# Altium PCB SENSEI_Sensor-Shield.PcbDoc (part 2 of 2) (continued)
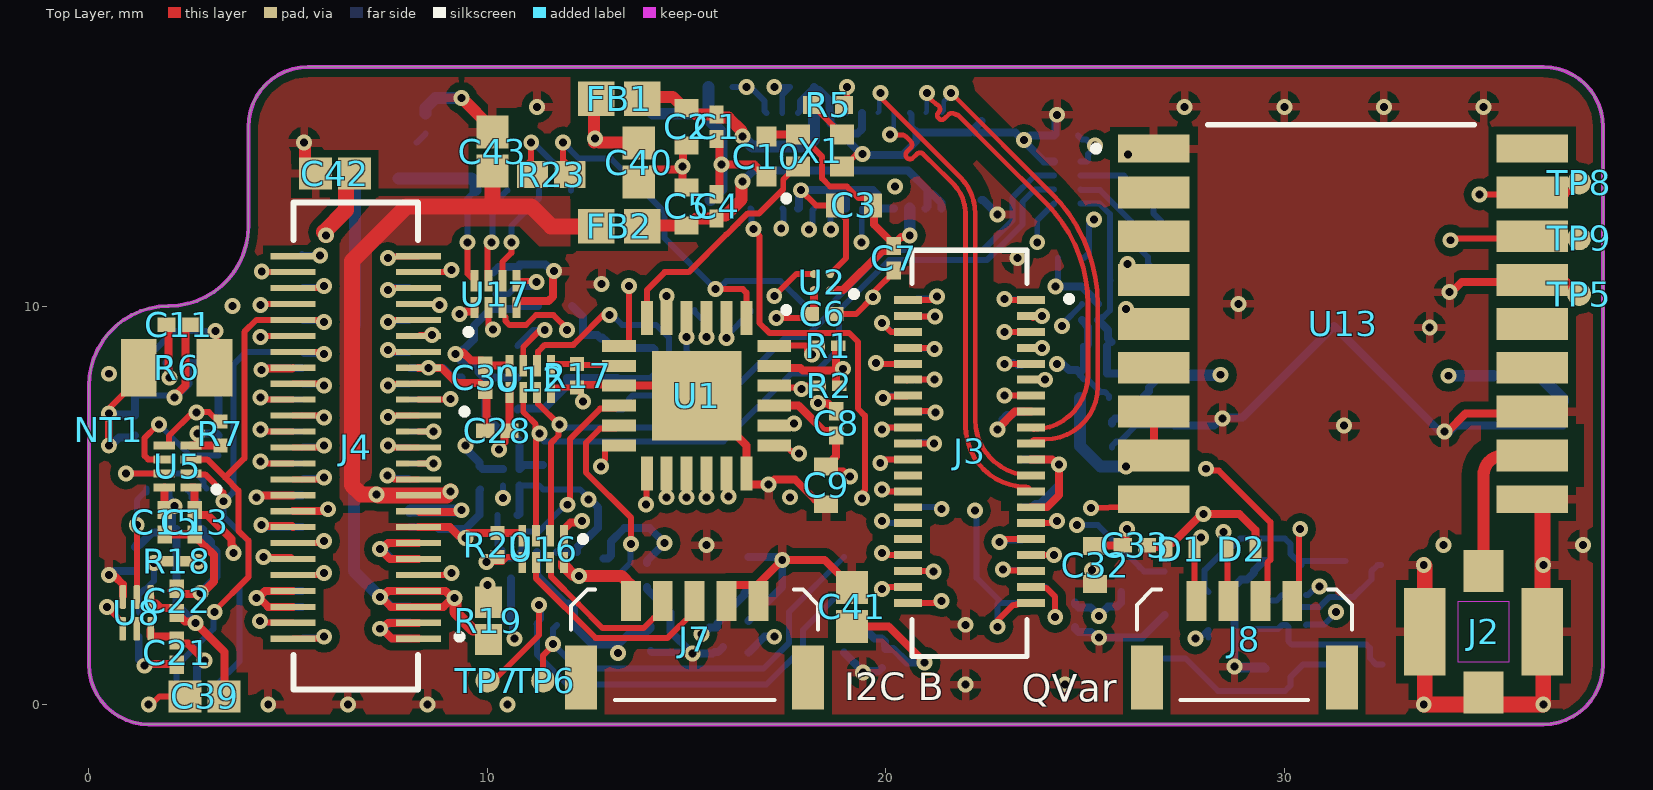
[diagram p0: Top Layer view]
## Nets (pads, with @x,y where several pads share a name; then routed paths per layer and width w, separated by ;. In a path a pad name is that pad's centre, name@x,y a point inside that pad or via, vN(x,y) a via of type N, cw(c..) or ccw(c..) an arc to the next point about the centre after c; other vN are vias at no path point) (continued)
MSP_TCK: J4.49 J6.49 | length 1.9
  Top Layer w0.15: v1(4.295,2.089) 4.335,2.089 4.373,2.051 5.124,2.051 J4.49@5.125,2.05
  Bottom Layer w0.15: v1(4.295,2.089) 4.311,2.089 4.36,2.04 5.335,2.04 J6.49@5.345,2.05
MSP_TDI: J4.39 J6.39 | length 1.9
  Top Layer w0.15: v1(4.3,6.1) 4.316,6.1 4.364,6.051 5.124,6.051 J4.39@5.125,6.05
  Bottom Layer w0.15: v1(4.3,6.1) 4.341,6.1 4.391,6.05 J6.39@5.345,6.05
MSP_TDO: J4.38 J6.38 | length 1.4
  Top Layer w0.15: J4.38@5.125,6.45 v1@5.9,6.45
  Bottom Layer w0.15: J6.38@5.345,6.45 5.37,6.475 5.875,6.475 v1(5.9,6.5)
MSP_TMS: J4.40 J6.40 | length 1.4
  Top Layer w0.15: J4.40@5.125,5.65 5.85,5.65 v1(5.9,5.7)
  Bottom Layer w0.15: J6.40@5.345,5.65 5.38,5.685 5.885,5.685 v1(5.9,5.7)
MSP_VCC: J4.37 J6.37 | length 1.9
  Top Layer w0.15: v1(4.3,6.9) 4.316,6.9 4.364,6.851 5.124,6.851 J4.37@5.125,6.85
  Bottom Layer w0.15: v1(4.3,6.9) 4.341,6.9 4.391,6.85 J6.37@5.345,6.85
NetB1_1: B1.1 C31.1 R15.1 | length 2.8
  Bottom Layer w0.2: R15.1@12.125,10 12.4,9.725 12.4,9.27 12.758,9.27 12.847,9.181 12.882,9.216 12.974,9.125 12.975,9.125 13.146,8.954 13.146,8.952 14.152,8.952 C31.1@14.2,8.904
NetC1_1: C1.1 C2.1 FB1.1 J1.5 | length 5.7
  Top Layer w0.3: FB1.1@13.826,15.25 14.65,15.25 14.925,14.975 C2.1@15,14.975 15.075,14.975 15.246,14.804 C1.1@15.75,14.804 15.781,14.773 15.781,14.727 16.048,14.727 16.382,14.393 16.382,14.27 v1(16.401,14.251)
  Bottom Layer w0.3: v1(16.401,14.251) 16.651,14 18.024,14 18.2,14.176 J1.5@18.2,14.85
NetC4_1: C4.1 C5.1 FB2.1 J1.14 J1.15 | length 9.1
  Top Layer w0.3: FB2.1@14.076,12 14.101,12.025 C5.1@15,12.025 15.075,12.025 15.246,12.196 C4.1@15.75,12.196 15.75,12.241 15.781,12.273 15.98,12.273 16.382,12.674 16.382,13.106 v1(16.401,13.126)
  Bottom Layer w0.2: v1(16.401,13.126) 16.675,13.4 19.566,13.4 ; 19.566,13.401 20.556,13.401 21.05,12.906 21.05,12.8 ; J1.15@21,12.45 21.05,12.5 21.05,12.8 ; J1.14@21.4,12.45 21.4,12.585 21.185,12.8 21.05,12.8
NetC20_1: C20.1 R9.1 R10.2 | length 3.9
  Bottom Layer w0.15: C20.1@29.25,2.604 29.804,2.604 29.95,2.75 30.05,2.75 30.2,2.6 30.2,2.553 30.303,2.45 30.895,2.45 31.145,2.7 31.745,2.7 32.183,3.138 32.183,3.339 32.344,3.5 R9.1@32.431,3.5
NetC20_2: C20.2 R11.2 R12.1 | length 4
  Bottom Layer w0.15: C20.2@29.25,1.896 29.846,1.896 29.95,2 R11.2@30,2 30.05,2 30.1,1.95 30.1,1.588 30.188,1.5 32.062,1.5 32.15,1.412 32.15,1.161 32.311,1 R12.1@32.466,1
NetD1_1: D1.1 J5.28 J8.1 R11.1 | length 15.5
  Top Layer w0.15: J8.1@27.8,2.595 27.75,2.645 D1.1@27.75,3.9 27.75,4 27.909,4.159 v1(27.909,4.193)
  Mid-Layer 2 w0.15: v1(27.909,4.193) 29.627,2.475 31.087,2.475 31.237,2.325 v1(31.3,2.325)
  Mid-Layer 4 w0.15: v1(21.403,4.903) 21.403,4.397 22.8,3 26.645,3 27.838,4.193 v1(27.909,4.193)
  Bottom Layer w0.15: J5.28@20.745,4.95 21.309,4.95 21.357,4.903 v1(21.403,4.903) ; R11.1@30.55,2 30.562,2.012 31.008,2.012 31.3,2.303 v1(31.3,2.325)
NetD2_1: D2.1 J5.30 J8.2 R10.1 | length 16.3
  Top Layer w0.15: v1(28.471,4.325) 28.519,4.277 28.519,3.956 D2.1@28.575,3.9 28.575,2.62 J8.2@28.6,2.595
  Mid-Layer 2 w0.15: v1(28.471,4.325) 29.846,2.95 30.864,2.95 v1(30.879,2.965)
  Mid-Layer 4 w0.15: v1(19.9,4.6) 20.6,4.6 22.6,2.6 27,2.6 28.447,4.047 28.447,4.302 v1(28.471,4.325)
  Bottom Layer w0.15: v1(19.9,4.6) 19.941,4.6 19.991,4.55 J5.30@20.745,4.55 ; R10.1@30.55,2.75 30.6,2.75 30.815,2.965 v1(30.879,2.965)
NetJ2_1: J2.1 U13.11 | length 4
  Top Layer w0.305: J2.1@35,3.275 35,5.75 cw(c35.5,5.75) 35.5,6.25 U13.11@36.225,6.25
NetJ3_1: J3.1 J5.1 | length 1.2
  Top Layer w0.15: v1(22.973,10.178) 23.024,10.178 23.052,10.15 J3.1@23.64,10.15
  Bottom Layer w0.15: v1(22.973,10.178) 22.987,10.164 23.441,10.164 J5.1@23.455,10.15
NetJ3_3: J3.3 J5.3 | length 0.9
  Top Layer w0.15: J3.3@23.64,9.75 23.69,9.7 23.74,9.75 v1(23.924,9.75)
  Bottom Layer w0.15: J5.3@23.443,9.762 23.494,9.762 J5.3@23.506,9.75 ; J5.3@23.455,9.75 23.48,9.725 23.505,9.75 v1(23.924,9.75)
NetJ3_5: J3.5 J5.5 | length 1.2
  Top Layer w0.15: v1(22.976,9.35) 23.002,9.375 23.027,9.35 J3.5@23.64,9.35
  Bottom Layer w0.15: v1(22.976,9.35) J5.5@23.455,9.35
NetJ3_7: J3.7 J5.7 | length 0.9
  Top Layer w0.15: J3.7@23.64,8.95 23.665,8.925 J3.7@23.859,8.925 ; v1(23.924,8.95) 23.959,8.95 23.909,9 23.859,8.95 23.884,8.925 J3.7@23.934,8.925
  Bottom Layer w0.15: J5.7@23.455,8.95 23.874,8.95 v1@23.899,8.975
NetJ3_9: J3.9 J5.9 | length 1.4
  Top Layer w0.15: v1(22.976,8.55) 22.976,8.537 22.94,8.501 cw(c23.051,8.4) 23.051,8.55 J3.9@23.64,8.55
  Bottom Layer w0.15: v1(22.976,8.55) J5.9@23.155,8.55 ; J5.9@23.455,8.55 23.405,8.5 23.355,8.55 23.304,8.5 23.204,8.6 J5.9@23.179,8.575 ; J5.9@23.155,8.55 J5.9@23.179,8.575 ; J5.9@23.155,8.55 J5.9@23.179,8.575
NetJ3_11: J3.11 J5.11 | length 0.9
  Top Layer w0.15: J3.11@23.64,8.15 v1(23.99,8.15)
  Bottom Layer w0.15: J5.11@23.455,8.15 v1(23.99,8.15)
NetJ3_13: J3.13 J5.13 | length 1.1
  Top Layer w0.15: v1(22.976,7.75) J3.13@23.64,7.75
  Bottom Layer w0.15: v1@22.976,7.75 J5.13@23.455,7.75
NetJ3_16: J3.16 J5.16 J8.3 | length 12.8
  Top Layer w0.15: J3.16@20.56,7.35 20.573,7.363 21.214,7.363 v1(21.251,7.325) ; v1(28.033,5.916) 28.081,5.868 28.357,5.868 29.65,4.575 29.65,3.628 29.575,3.553 29.575,2.77 J8.3@29.4,2.595
  Mid-Layer 4 w0.15: v1(21.251,7.325) 26.405,7.325 26.624,7.325 v1(28.033,5.916)
  Bottom Layer w0.15: J5.16@20.745,7.35 20.746,7.349 21.227,7.349 v1(21.251,7.325)
NetJ3_18: J3.18 J5.18 J8.4 | length 15
  Top Layer w0.15: v1(19.9,6.9) 19.95,6.95 J3.18@20.56,6.95 ; J8.4@30.2,2.595 30.375,2.77 30.375,4.375 v1(30.4,4.4)
  Mid-Layer 4 w0.15: v1(19.9,6.9) 21.2,5.6 27.8,5.6 29,4.4 v1(30.4,4.4)
  Bottom Layer w0.15: v1(19.9,6.9) 19.95,6.95 J5.18@20.745,6.95
NetJ3_29: J3.29 J5.29 | length 1.5
  Top Layer w0.15: J3.29@23.64,4.55 24.209,4.55 24.259,4.6 v1(24.3,4.6)
  Bottom Layer w0.15: J5.29@23.455,4.55 24.209,4.55 24.259,4.6 v1(24.3,4.6)
NetJ3_31: J3.31 J5.31 | length 1.4
  Top Layer w0.15: v1(22.855,4.075) 22.93,4.15 J3.31@23.64,4.15
  Bottom Layer w0.15: v1(22.855,4.075) 22.893,4.113 23.418,4.113 J5.31@23.455,4.15
NetJ7_1: J7.1 R19.2 U16.8 | length 4.8
  Top Layer w0.3: v1(10,3) 10,2.845 9.995,2.84 9.995,2.595 R19.2@10.025,2.566 ; U16.8@11.925,3.565 11.925,3.475 12.156,3.244 12.281,3.244 v1(12.301,3.225) 13.37,3.225 J7.1@13.6,2.995
  Mid-Layer 2 w0.3: v1(10,3) 10.027,3 10.252,3.225 v1(12.301,3.225)
NetJ7_2: J7.2 U16.7 | length 4.4
  Top Layer w0.15: U16.7@11.575,3.565 11.6,3.54 11.6,3.207 12.287,2.52 12.887,1.92 13.922,1.92 14.172,2.17 14.225,2.17 14.45,2.395 J7.2@14.45,2.845
NetJ7_3: J7.3 U16.6 | length 5.4
  Top Layer w0.15: U16.6@11.225,3.565 11.225,3.158 12.713,1.67 14.525,1.67 15.174,2.319 J7.3@15.174,2.525
NetJ9_1: J9.1 R21.2 U17.8 | length 4.6
  Top Layer w0.15: v1(9.5,11.6) 9.5,10.81 U17.8@9.675,10.635
  Bottom Layer w0.15: v1(9.5,11.6) 9.5,12.705 J9.1@9.7,12.905
  Bottom Layer w0.3: R21.2@7.766,13.2 9.6,13.2 9.7,13.1 J9.1@9.7,12.905
NetJ9_2: J9.2 U17.7 | length 2.5
  Top Layer w0.15: U17.7@10.025,10.635 10,10.66 10,11.5 v1(10.1,11.6)
  Bottom Layer w0.15: v1(10.1,11.6) 10.125,11.625 10.125,12.53 J9.2@10.5,12.905
NetJ9_3: J9.3 U17.6 | length 2.7
  Top Layer w0.15: U17.6@10.375,10.635 10.375,11.106 10.6,11.331 v1(10.6,11.6)
  Bottom Layer w0.15: v1(10.6,11.6) 10.6,12.008 11.3,12.708 J9.3@11.3,12.905
NetJ9_4: J9.4 R23.1 | length 2.5
  Top Layer w0.15: v1(11.1,14.1) 11.1,13.666 10.934,13.5 R23.1@11.134,13.3
  Bottom Layer w0.15: v1@11.155,14.1 12.1,13.155 J9.4@12.1,12.905
NetR5_2: R5.2 X1.3 | length 1.1
  Top Layer w0.15: R5.2@18.15,15.05 18.675,14.525 18.675,14.475 18.85,14.3 X1.3@18.9,14.3
NetR6_2: R6.2 U4.4 | length 3.1
  Top Layer w0.15: R6.2@2.95,8.5 3.2,8.75 3.2,9.35 v1(3.175,9.375)
  Bottom Layer w0.15: U4.4@1.45,8.575 1.525,8.65 1.525,8.768 2.132,9.375 v1(3.175,9.375)
nRF_P0.04: J3.20 J5.20 U9.B2 | length 7.7
  Top Layer w0.15: J3.20@20.56,6.55 v1(21.214,6.55)
  Mid-Layer 4 w0.15: v1(21.214,6.55) 21.214,6.7 20.876,7.038 20.876,7.481 21.171,7.775 21.381,7.775 21.731,8.125 23.081,8.125 23.549,8.593 23.549,9.105 23.769,9.325 24.325,9.325 24.375,9.375 24.375,9.462 v2(24.416,9.503)
  Bottom Layer w0.15: J5.20@20.745,6.55 20.782,6.588 21.177,6.588 v1(21.214,6.55) ; v2(24.416,9.503) 24.416,9.533 24.922,10.039 U9.B2@24.922,10.053
nRF_P0.05: J3.22 J5.22 U10.B2 | length 11.8
  Top Layer w0.15: v1(19.86,6.06) 19.9,6.1 19.941,6.1 19.991,6.15 J3.22@20.56,6.15
  Mid-Layer 2 w0.15: v1(10.39,5.181) 10.881,5.181 11.3,5.6 13.33,5.6 13.63,5.9 17.981,5.9 18.181,6.1 19.82,6.1 v1(19.86,6.06)
  Bottom Layer w0.15: v1(10.39,5.181) 10.393,5.185 10.393,5.493 U10.B2@10.397,5.497 ; v1(19.86,6.06) 19.9,6.1 19.941,6.1 19.991,6.15 J5.22@20.66,6.15
nRF_P0.07/AMUX: J3.26 J5.26 | length 1.5
  Top Layer w0.15: v1(19.9,5.4) 19.941,5.4 19.991,5.35 J3.26@20.56,5.35
  Bottom Layer w0.15: v1(19.9,5.4) 19.941,5.4 19.991,5.35 J5.26@20.745,5.35
nRF_P0.12_GAP_GPIO64: J3.12 J5.12 R1.2 U1.24 | length 6.3
  Top Layer w0.15: U1.24@17.2,9 17.213,9.012 18.025,9.012 ; v1(18.145,8.78) 18.112,8.78 18.025,8.868 18.025,9.012 ; R1.2@18.296,9 18.283,9.012 18.025,9.012 ; J3.12@20.56,8.15 20.535,8.125 20.51,8.15 v1(21.226,8.15)
  Mid-Layer 2 w0.15: v1(18.145,8.78) 18.315,8.95 20.05,8.95 20.85,8.15 v1(21.226,8.15)
  Bottom Layer w0.15: J5.12@20.745,8.15 20.72,8.125 20.695,8.15 v1(21.226,8.15)
nRF_P0.31: J3.2 J5.2 | length 1.3
  Top Layer w0.15: J3.2@20.56,10.15 21.132,10.15 21.216,10.235 v1(21.284,10.235)
  Bottom Layer w0.15: J5.2@20.745,10.15 20.785,10.19 21.239,10.19 v1(21.284,10.235)
nRF_P1.00_GAP_GPIO60: J3.4 J5.4 U17.2 | length 13.8
  Top Layer w0.15: U17.2@10.025,9.965 10.025,9.522 v2(10.136,9.411) ; J3.4@20.56,9.75 20.575,9.735 v1(21.23,9.735)
  Mid-Layer 2 w0.15: v2(10.136,9.411) 10.859,9.411 10.87,9.4 11.786,8.484 17.319,8.484 18.036,9.2 20.231,9.2 20.766,9.735 v1(21.23,9.735)
  Bottom Layer w0.15: J5.4@20.745,9.75 20.76,9.735 v1(21.23,9.735)
nRF_P1.01_GAP_GPIO61: J3.6 J5.6 U17.3 | length 12.4
  Top Layer w0.15: U17.3@10.375,9.965 10.375,9.8 10.45,9.725 10.45,9.628 10.553,9.525 10.968,9.525 11.218,9.775 11.655,9.775 12,9.43 v1(12,9.4) ; v1(19.901,9.575) 20.126,9.35 J3.6@20.56,9.35
  Mid-Layer 2 w0.15: v1(12,9.4) 13.045,9.4 13.645,8.8 17.275,8.8 18.05,9.575 v1(19.901,9.575)
  Bottom Layer w0.15: v1(19.901,9.575) 19.924,9.575 20.05,9.45 20.15,9.35 J5.6@20.745,9.35
nRF_P1.11_GAP_GPIO63: J3.10 J5.10 R2.2 U1.22 | length 5.1
  Top Layer w0.15: U1.22@17.2,8 17.246,7.954 17.846,7.954 v1(17.879,7.921) ; v1@17.875,8 R2.2@18.246,8 ; v1(19.75,8.575) v1(19.75,8.575) 19.776,8.55 J3.10@20.56,8.55
  Mid-Layer 2 w0.15: v1(17.879,7.921) 17.903,7.944 18.974,7.944 19.606,8.575 v1(19.75,8.575)
  Bottom Layer w0.15: v1(19.75,8.575) v1(19.75,8.575) 19.776,8.55 J5.10@20.745,8.55
nRF_QSPI_CLK: J4.20 J6.20 | length 0.9
  Top Layer w0.15: J4.20@8.275,9.25 8.279,9.246 8.307,9.274 v1(8.613,9.274)
  Bottom Layer w0.15: J6.20@8.055,9.25 8.589,9.25 v1(8.613,9.274)
nRF_QSPI_CS_CONN: J4.14 J6.14 | length 1
  Top Layer w0.15: J4.14@8.275,6.85 v1(8.65,6.85)
  Bottom Layer w0.15: J6.14@8.055,6.85 v1(8.65,6.85)
nRF_QSPI_IO0: J4.19 J6.19 | length 1.4
  Top Layer w0.15: v1(7.5,8.9) 7.502,8.9 7.511,8.909 7.571,8.849 J4.19@8.275,8.85 J4.19@8.275,8.85
  Bottom Layer w0.15: v1(7.5,8.9) 7.55,8.9 7.559,8.909 7.643,8.825 8.03,8.825 J6.19@8.055,8.85
nRF_QSPI_IO1: J4.17 J6.17 | length 1.4
  Top Layer w0.15: v1(7.5,8) 7.541,8 7.589,8.049 J4.17@8.275,8.05 J4.17@8.275,8.05
  Bottom Layer w0.15: v1(7.5,8) 7.525,8.025 8.03,8.025 J6.17@8.055,8.05
nRF_QSPI_IO2: J4.16 J6.16 | length 1.8
  Top Layer w0.15: J4.16@8.275,7.65 J4.16@8.275,7.65 9.062,7.651 v1(9.078,7.667)
  Bottom Layer w0.15: J6.16@8.055,7.65 8.063,7.658 9.069,7.658 v1(9.078,7.667)
nRF_QSPI_IO3: J4.15 J6.15 | length 1.4
  Top Layer w0.15: v1(7.5,7.22) 7.541,7.22 7.57,7.249 7.784,7.249 7.785,7.25 J4.15@8.275,7.25
  Bottom Layer w0.15: v1(7.5,7.22) 7.515,7.235 8.04,7.235 J6.15@8.055,7.25
QVAR_BARO_1: R9.2 R13.2 U3.2 | length 4.8
  Bottom Layer w0.15: U3.2@28.092,2.825 28.002,2.915 28.002,3.372 28.58,3.95 28.68,3.95 28.892,4.161 30.018,4.161 30.15,4.029 30.15,3.781 R13.2@30.431,3.5 ; R13.2@30.466,3.6 R9.2@31.534,3.6
QVAR_BARO_2: R12.2 R14.2 U3.4 | length 5.3
  Bottom Layer w0.15: U3.4@27,1.158 27.521,1.158 28.34,0.339 30.018,0.339 30.15,0.471 30.15,0.684 30.466,1 R12.2@31.534,1
R\S\T\: J4.5 J6.5 | length 1.9
  Top Layer w0.15: J4.5@8.275,3.25 J4.5@8.275,3.25 9.051,3.251 v1(9.1,3.3)
  Bottom Layer w0.15: J6.5@8.055,3.25 9.05,3.25 v1(9.1,3.3)
SPI_A_CLK: J4.31 J6.31 | length 1.9
  Top Layer w0.15: v1(4.305,9.225) 4.329,9.249 5.124,9.249 J4.31@5.125,9.25
  Bottom Layer w0.15: v1(4.305,9.225) 4.33,9.25 J6.31@5.345,9.25
SPI_A_CS: J4.28 J6.28 | length 1.4
  Top Layer w0.15: J4.28@5.125,10.45 5.126,10.451 5.811,10.451 5.859,10.5 v1(5.9,10.5)
  Bottom Layer w0.15: J6.28@5.345,10.45 5.37,10.475 5.875,10.475 v1(5.9,10.5)
SPI_A_MISO: J4.34 J6.34 | length 1.4
  Top Layer w0.15: J4.34@5.125,8.05 5.85,8.05 v1(5.9,8)
  Bottom Layer w0.15: J6.34@5.345,8.05 5.37,8.025 5.875,8.025 v1(5.9,8)
SPI_A_MOSI: J4.29 J6.29 | length 1.9
  Top Layer w0.15: v1(4.3,10.025) 4.324,10.049 5.124,10.049 J4.29@5.125,10.05
  Bottom Layer w0.15: v1(4.3,10.025) 4.325,10.05 4.402,10.05 J6.29@5.345,10.05
SPI_B_CLK: J4.27 J6.27 | length 1.8
  Top Layer w0.15: v1(4.337,10.863) 4.349,10.851 J4.27@5.125,10.85 J4.27@5.125,10.85
  Bottom Layer w0.15: v1(4.337,10.863) 4.35,10.85 J6.27@5.345,10.85
SPI_B_CS: J4.24 J6.24 | length 1.9
  Top Layer w0.15: J4.24@8.275,10.85 9.05,10.85 v1(9.1,10.9)
  Bottom Layer w0.15: J6.24@8.055,10.85 9.05,10.85 v1(9.1,10.9)
SPI_B_MISO: J4.26 J6.26 | length 1.1
  Top Layer w0.15: J4.26@5.125,11.25 5.126,11.251 5.786,11.251 v1(5.8,11.265)
  Bottom Layer w0.15: J6.26@5.345,11.3 J6.26@5.345,11.25 5.38,11.285 J6.26@5.6,11.285 ; J6.26@5.665,11.265 v1(5.8,11.265)
SPI_B_MOSI: J4.25 J6.25 | length 1.4
  Top Layer w0.15: v1(7.5,11.2) 7.568,11.2 7.616,11.249 J4.25@8.275,11.25 J4.25@8.275,11.25
  Bottom Layer w0.15: v1(7.5,11.2) 7.55,11.25 J6.25@8.055,11.25
SWDCLK: J4.45 J6.45 | length 1.8
  Top Layer w0.15: v1(4.375,3.7) 5.075,3.7 J4.45@5.125,3.65
  Bottom Layer w0.15: v1(4.375,3.7) 4.425,3.65 J6.45@5.345,3.65
SWDIO: J4.46 J6.46 | length 1.4
  Top Layer w0.15: J4.46@5.125,3.25 v1@5.9,3.25
  Bottom Layer w0.15: J6.46@5.345,3.25 5.85,3.25 v1(5.9,3.3)
SWO: J4.44 J6.44 | length 1.4
  Top Layer w0.15: J4.44@5.125,4.05 5.85,4.05 v1(5.9,4.1)
  Bottom Layer w0.15: J6.44@5.345,4.05 5.85,4.05 v1(5.9,4.1)
V_HM0360_1V8: C3.1 C7.1 C10.1 J1.16 U2.A1 X1.4 | length 8.4
  Top Layer w0.15: C10.1@17,14.25 C10.1@17.05,14.3 ; X1.4@17.8,14.3 17.85,14.3 18.4,13.75 18.4,13.2 18.6,13 19.022,13 19.315,12.708 C3.1@19.525,12.708
  Top Layer w0.2: C10.1@17.05,14.3 X1.4@17.8,14.3 ; U2.A1@18.625,10.4 18.925,10.4 19.902,11.377 20.119,11.377 20.2,11.459 C7.1@20.2,11.504 ; C3.1@19.525,12.708 19.675,12.558 C3.1@19.675,12.525 ; C3.1@19.675,12.45 C3.1@19.675,12.525 ; C7.1@20.281,11.586 C7.1@20.2,11.504 ; v1(20.6,11.775) 20.562,11.737 20.387,11.737 C7.1@20.2,11.55 ; C3.1@19.675,12.525 19.708,12.492 19.708,12.042 C7.1@20.2,11.55 ; C7.1@20.2,11.504 C7.1@20.2,11.55
  Bottom Layer w0.3: v1(20.6,11.775) J1.16@20.6,12.45
V_SCD41_3V3: C25.1 C29.1 C37.1 C38.1 U9.A1 U11.8 U15.7 U15.19 | length 18.7
  Mid-Layer 4 w0.3: v1(28.4,8.275) v1@28.413,8.262 ; v1@34.112,8.262 v1(34.125,8.25)
  Mid-Layer 4 w0.7: v1@28.413,8.262 v1@34.112,8.262
  Bottom Layer w0.15: U11.8@24.885,12.575 25.356,12.575 25.627,12.304 25.627,10.654 ; U9.A1@25.328,9.647 25.343,9.647 25.422,9.727 25.463,9.727 25.627,9.89 25.627,10.654 ; 25.641,10.641 25.627,10.654
  Bottom Layer w0.2: U9.A1@25.328,9.647 25.577,9.397 25.577,9.181 C25.1@25.659,9.1 ; C25.1@25.554,9 25.554,8.304 C29.1@25.6,8.304 27.196,8.304 U15.7@27.25,8.25 ; C37.1@25.675,7.054 25.675,7.1 25.756,7.181 25.933,7.181 26.05,7.299 26.05,7.304 26.6,7.854 26.6,7.95 U15.7@26.9,8.25 ; U15.19@35.25,8.25 U15.19@35.6,8.25
  Bottom Layer w0.3: U15.7@27.25,8.25 27.263,8.262 28.387,8.262 v1(28.4,8.275) ; v1(34.125,8.25) U15.19@35.25,8.25 ; U15.19@35.6,8.25 36.404,8.25 37,7.654 C38.1@37,7.609
V_SGP41_3V3: B1.5 C26.1 C30.1 C34.1 R15.2 U10.A1 U12.8 | length 9.8
  Top Layer w0.2: v2(9.2,8.8) 9.354,8.8 9.39,8.836 9.595,8.631 9.869,8.631 9.95,8.55 C30.1@9.95,8.504 10.55,8.504 U12.8@10.55,8.5
  Bottom Layer w0.2: v2(9.2,8.8) 9.275,8.8 9.39,8.915 9.324,8.848 v2@9.324,8.842 ; v2@9.238,8.762 9.238,8.716 9.354,8.6 9.4,8.6 9.414,8.586 9.658,8.586 9.775,8.468 9.775,8.34 9.911,8.204 C34.1@9.956,8.204 ; v2@9.344,8.844 9.658,9.158 9.658,9.498 10.085,9.925 10.658,9.925 10.733,10 R15.2@11.275,10 ; B1.5@10.75,8.2 B1.5@10.75,8.2 9.958,8.202 C34.1@9.956,8.204 ; U10.A1@10.803,5.903 10.803,6.621 10.499,6.925 10.271,6.925 9.956,7.24 C34.1@9.956,8.204 ; U10.A1@10.804,5.903 10.905,6.004 C26.1@11.4,6.004
VA1: J4.11 J6.11 | length 1.4
  Top Layer w0.15: v1(7.491,5.75) 7.559,5.75 7.658,5.651 J4.11@8.275,5.65 J4.11@8.275,5.65
  Bottom Layer w0.15: v1(7.491,5.75) 7.559,5.75 7.624,5.685 8.02,5.685 J6.11@8.055,5.65
VBAT: J4.1 J4.2 J6.1 J6.2 | length 3.6
  Top Layer w0.2: v1(7.3,1.9) v1@7.354,1.9 ; J4.1@8.275,1.65 7.604,1.65 v1@7.354,1.9 ; J4.2@8.275,2.05 7.504,2.05 v1@7.354,1.9
  Bottom Layer w0.2: v1(7.3,1.9) 7.338,1.938 7.438,1.938 7.56,2.06 8.045,2.06 J6.2@8.055,2.05 ; v1@7.392,1.862 7.597,1.657 8.048,1.657 J6.1@8.055,1.65
VQPS_FUSE_1V8: J3.14 J5.14 | length 1.5
  Top Layer w0.15: v1(19.931,7.694) 19.961,7.725 20.535,7.725 J3.14@20.56,7.75
  Bottom Layer w0.15: v1(19.931,7.694) 19.986,7.75 J5.14@20.745,7.75
Vsys: J4.3 J4.4 J6.3 J6.4 R19.1 R21.1 | length 18
  Top Layer w0.2: v1(7.3,2.7) v1@7.324,2.7 ; v1@9.213,2.637 9.194,2.656 v1(9.175,2.675) v1@9.121,2.675 ; v1@7.324,2.7 7.574,2.45 J4.3@8.275,2.45 8.896,2.45 v1@9.121,2.675 ; v1@7.324,2.7 7.354,2.7 7.504,2.85 J4.4@8.275,2.85 8.946,2.85 v1@9.121,2.675
  Top Layer w0.3: v1@9.194,2.656 9.194,2.316 9.635,1.875 9.839,1.875 10.025,1.689 R19.1@10.025,1.634
  Bottom Layer w0.2: v1(7.3,2.7) v1@7.354,2.7 ; J6.3@8.055,2.45 8.045,2.46 7.594,2.46 v1@7.354,2.7 ; J6.4@8.055,2.85 7.504,2.85 v1@7.354,2.7
  Bottom Layer w0.3: R21.1@6.834,13.2 6.675,13.041 6.675,9.525 6.65,9.5 6.65,3.35 v1(7.3,2.7)
pads on no net: J1.1 J1.25 J3.24 J3.28 J3.30 J3.32 J5.17 J5.19 J5.23 J5.24 J5.25 J5.32 J5.41 J5.42 J5.43 J5.44 J6.56 J7.MP1 J7.MP2 J8.MP1 J8.MP2 U4.8 U7.10 U7.11 U8.5 U13.2 U13.3 U13.6 U13.13 U13.14 U13.18 U15.1 U15.2 U15.3 U15.4 U15.5 U15.8 U15.11 U15.12 U15.13 U15.14 U15.15 U15.16 U15.17 U15.18

## Polygon pours and split planes (outlines as drawn)
GND on Top Layer "GND_L01_P003" (solid, remove dead copper, pour order 3): -1,16 -1,-1 39,-1 39,16
1V2 on Top Layer "1V2_L01_P002" (solid, remove dead copper, pour order 2): 6.3,11.62 6.3,5 9,5 9.25,5.25 9,5.5 7.1,5.5 7.1,11.5 9,11.5 9.5,12 10.8,12 11.3,11.5 12.75,11.5 12.75,12.75 7.242,12.75
GND on Bottom Layer "GND_L08_P001" (solid, remove dead copper, pour order 1): 39,16 39,-1 -1,-1 -1,16
GND on Mid-Layer 1 (split plane): 36.629,15.483 36.757,15.458 36.879,15.416 36.996,15.359 37.104,15.287 37.201,15.201 37.287,15.104 37.359,14.996 37.416,14.879 37.458,14.757 37.483,14.629 37.491,14.512 37.49,14.5 37.49,1 37.491,0.988 37.483,0.871 37.458,0.743 37.416,0.621 37.359,0.504 37.287,0.396 37.201,0.299 37.104,0.213 36.996,0.141 36.879,0.084 36.757,0.042 36.629,0.017 36.512,0.009 36.5,0.01 1.5,0.01 1.488,0.009 1.371,0.017 1.243,0.042 1.121,0.084 1.004,0.141 0.896,0.213 0.799,0.299 0.713,0.396 0.641,0.504 0.584,0.621 0.542,0.743 0.517,0.871 0.509,0.988 0.51,1 0.51,8 0.509,8.015 0.518,8.167 0.546,8.332 0.592,8.493 0.656,8.647 0.737,8.794 0.834,8.93 0.945,9.055 1.07,9.166 1.206,9.263 1.353,9.344 1.507,9.408 1.668,9.454 1.833,9.482 1.985,9.491 2,9.49 2.001,9.49 2.219,9.499 2.436,9.528 2.65,9.575 2.859,9.641 3.061,9.725 3.255,9.826 3.44,9.944 3.614,10.077 3.775,10.225 3.923,10.386 4.056,10.56 4.174,10.745 4.275,10.939 4.359,11.141 4.425,11.35 4.472,11.564 4.501,11.781 4.51,11.999 4.51,12 4.51,14.5 4.509,14.512 4.517,14.629 4.542,14.757 4.584,14.879 4.641,14.996 4.713,15.104 4.799,15.201 4.896,15.287 5.004,15.359 5.121,15.416 5.243,15.458 5.371,15.483 5.488,15.491 5.5,15.49 36.5,15.49 36.512,15.491
GND on Mid-Layer 3 (split plane): 36.629,15.483 36.757,15.458 36.879,15.416 36.996,15.359 37.104,15.287 37.201,15.201 37.287,15.104 37.359,14.996 37.416,14.879 37.458,14.757 37.483,14.629 37.491,14.512 37.49,14.5 37.49,1 37.491,0.988 37.483,0.871 37.458,0.743 37.416,0.621 37.359,0.504 37.287,0.396 37.201,0.299 37.104,0.213 36.996,0.141 36.879,0.084 36.757,0.042 36.629,0.017 36.512,0.009 36.5,0.01 1.5,0.01 1.488,0.009 1.371,0.017 1.243,0.042 1.121,0.084 1.004,0.141 0.896,0.213 0.799,0.299 0.713,0.396 0.641,0.504 0.584,0.621 0.542,0.743 0.517,0.871 0.509,0.988 0.51,1 0.51,8 0.509,8.015 0.518,8.167 0.546,8.332 0.592,8.493 0.656,8.647 0.737,8.794 0.834,8.93 0.945,9.055 1.07,9.166 1.206,9.263 1.353,9.344 1.507,9.408 1.668,9.454 1.833,9.482 1.985,9.491 2,9.49 2.001,9.49 2.219,9.499 2.436,9.528 2.65,9.575 2.859,9.641 3.061,9.725 3.255,9.826 3.44,9.944 3.614,10.077 3.775,10.225 3.923,10.386 4.056,10.56 4.174,10.745 4.275,10.939 4.359,11.141 4.425,11.35 4.472,11.564 4.501,11.781 4.51,11.999 4.51,12 4.51,14.5 4.509,14.512 4.517,14.629 4.542,14.757 4.584,14.879 4.641,14.996 4.713,15.104 4.799,15.201 4.896,15.287 5.004,15.359 5.121,15.416 5.243,15.458 5.371,15.483 5.488,15.491 5.5,15.49 36.5,15.49 36.512,15.491
1V8 on Mid-Layer 5 (split plane): 36.629,15.483 36.757,15.458 36.879,15.416 36.996,15.359 37.104,15.287 37.201,15.201 37.287,15.104 37.359,14.996 37.416,14.879 37.458,14.757 37.483,14.629 37.491,14.512 37.49,14.5 37.49,1 37.491,0.988 37.483,0.871 37.458,0.743 37.416,0.621 37.359,0.504 37.287,0.396 37.201,0.299 37.104,0.213 36.996,0.141 36.879,0.084 36.757,0.042 36.629,0.017 36.512,0.009 36.5,0.01 1.5,0.01 1.488,0.009 1.371,0.017 1.243,0.042 1.121,0.084 1.004,0.141 0.896,0.213 0.799,0.299 0.713,0.396 0.641,0.504 0.584,0.621 0.542,0.743 0.517,0.871 0.509,0.988 0.51,1 0.51,8 0.509,8.015 0.518,8.167 0.546,8.332 0.592,8.493 0.656,8.647 0.737,8.794 0.834,8.93 0.945,9.055 1.07,9.166 1.206,9.263 1.353,9.344 1.507,9.408 1.668,9.454 1.833,9.482 1.985,9.491 2,9.49 2.001,9.49 2.219,9.499 2.436,9.528 2.65,9.575 2.859,9.641 3.061,9.725 3.255,9.826 3.44,9.944 3.614,10.077 3.775,10.225 3.923,10.386 4.056,10.56 4.174,10.745 4.275,10.939 4.359,11.141 4.425,11.35 4.472,11.564 4.501,11.781 4.51,11.999 4.51,12 4.51,14.5 4.509,14.512 4.517,14.629 4.542,14.757 4.584,14.879 4.641,14.996 4.713,15.104 4.799,15.201 4.896,15.287 5.004,15.359 5.121,15.416 5.243,15.458 5.371,15.483 5.488,15.491 5.5,15.49 36.5,15.49 36.512,15.491
3V3 on Mid-Layer 5 (split plane): 16.986,11.246 16.997,11.238 17.019,11.224 17.058,11.216 22.325,11.23 22.658,10.898 22.691,10.876 22.73,10.869 25.548,10.876 25.548,9.927 23.067,9.927 22.822,10.172 22.789,10.194 22.75,10.202 16.75,10.202 16.711,10.194 16.678,10.172 16.433,9.927 15.15,9.927 15.111,9.919 15.078,9.897 12.233,7.052 9.95,7.052 9.911,7.044 9.878,7.022 9.856,6.989 9.848,6.95 9.848,6.042 8.433,4.627 6.5,4.627 6.461,4.619 6.428,4.597 6.406,4.564 6.398,4.525 6.398,1.527 2.177,1.527 2.177,2.648 4.45,2.648 4.489,2.656 4.522,2.678 4.544,2.711 4.552,2.75 4.552,4.375 4.544,4.414 4.522,4.447 4.489,4.469 4.45,4.477 1.602,4.477 1.602,6.223 7.125,6.223 7.164,6.231 7.197,6.253 10.272,9.328 11.642,10.698 11.7,10.698 11.739,10.706 11.772,10.728 12.279,11.235 12.286,11.231 12.325,11.223 13.296,11.223 13.335,11.231 13.35,11.241 16.981,11.25
GND on Mid-Layer 6 (split plane): 36.629,15.483 36.757,15.458 36.879,15.416 36.996,15.359 37.104,15.287 37.201,15.201 37.287,15.104 37.359,14.996 37.416,14.879 37.458,14.757 37.483,14.629 37.491,14.512 37.49,14.5 37.49,1 37.491,0.988 37.483,0.871 37.458,0.743 37.416,0.621 37.359,0.504 37.287,0.396 37.201,0.299 37.104,0.213 36.996,0.141 36.879,0.084 36.757,0.042 36.629,0.017 36.512,0.009 36.5,0.01 1.5,0.01 1.488,0.009 1.371,0.017 1.243,0.042 1.121,0.084 1.004,0.141 0.896,0.213 0.799,0.299 0.713,0.396 0.641,0.504 0.584,0.621 0.542,0.743 0.517,0.871 0.509,0.988 0.51,1 0.51,8 0.509,8.015 0.518,8.167 0.546,8.332 0.592,8.493 0.656,8.647 0.737,8.794 0.834,8.93 0.945,9.055 1.07,9.166 1.206,9.263 1.353,9.344 1.507,9.408 1.668,9.454 1.833,9.482 1.985,9.491 2,9.49 2.001,9.49 2.219,9.499 2.436,9.528 2.65,9.575 2.859,9.641 3.061,9.725 3.255,9.826 3.44,9.944 3.614,10.077 3.775,10.225 3.923,10.386 4.056,10.56 4.174,10.745 4.275,10.939 4.359,11.141 4.425,11.35 4.472,11.564 4.501,11.781 4.51,11.999 4.51,12 4.51,14.5 4.509,14.512 4.517,14.629 4.542,14.757 4.584,14.879 4.641,14.996 4.713,15.104 4.799,15.201 4.896,15.287 5.004,15.359 5.121,15.416 5.243,15.458 5.371,15.483 5.488,15.491 5.5,15.49 36.5,15.49 36.512,15.491

## Keep-outs
Keep-Out Layer:
  the board outline again, w0.1

## Other copper
Top Layer:
  pour cut-out: 35.944,2.825 34.044,2.825 34.044,0.825 35.944,0.825
Mid-Layer 5 (plane layer: these items are gaps in the copper):
  lines w0.2: 5.575,6.325 5.95,6.325 7.125,6.325 10.2,9.4 11.6,10.8 11.7,10.8 12.275,11.375 12.325,11.325 12.677,11.325 13.296,11.325 13.314,11.343 17.023,11.352 17.057,11.318 22.367,11.332 22.73,10.971 25.65,10.979 25.65,9.825 23.025,9.825 22.75,10.1 16.75,10.1 16.475,9.825 15.15,9.825 12.275,6.95 9.95,6.95 9.95,6 8.475,4.525 6.5,4.525 6.5,1.425 2.075,1.425 2.075,2.75 4.45,2.75 4.45,4.375 1.5,4.375 1.5,6.325 5.975,6.325

## Silkscreen, mask and mechanical layers (free items; w line width, h text height)
Top Overlay:
  circle w0.2: c9.425,7.35 r0.05
  circle w0.2: c9.525,9.35 r0.05
  text "I2C B" at 18.959,0.1 h0.7
  text "QVar" at 23.414,0.067 h0.7
Bottom Overlay:
  drawing of 14 lines, arcs and shapes, not listed
  text "UART" at 7.423,14.3 h0.7
  text "2" at 16.1,9.65 h0.6
  text "1" at 17.396,9.65 h0.6
  text "0" at 18.975,9.65 h0.6
  text "GPIO" at 18.941,8.5 h0.6
  text "3" at 16.2,8.25 h0.6
  text "Philip Wiese" at 19.629,7.083 h0.7
  text "SENSEI  / Sensor / v1.0" at 37,0 h0.8
Mechanical 1:
  text ".Pcb_File_Name_No_Path" at 0,-2.5 h1.52

## Text inside footprints (layer, text, board x,y; h text height)
U3: Mechanical 13 "*" at 27.318,2.504 h1.27